# KiCad board element_foxtrot.kicad_pcb (continued)
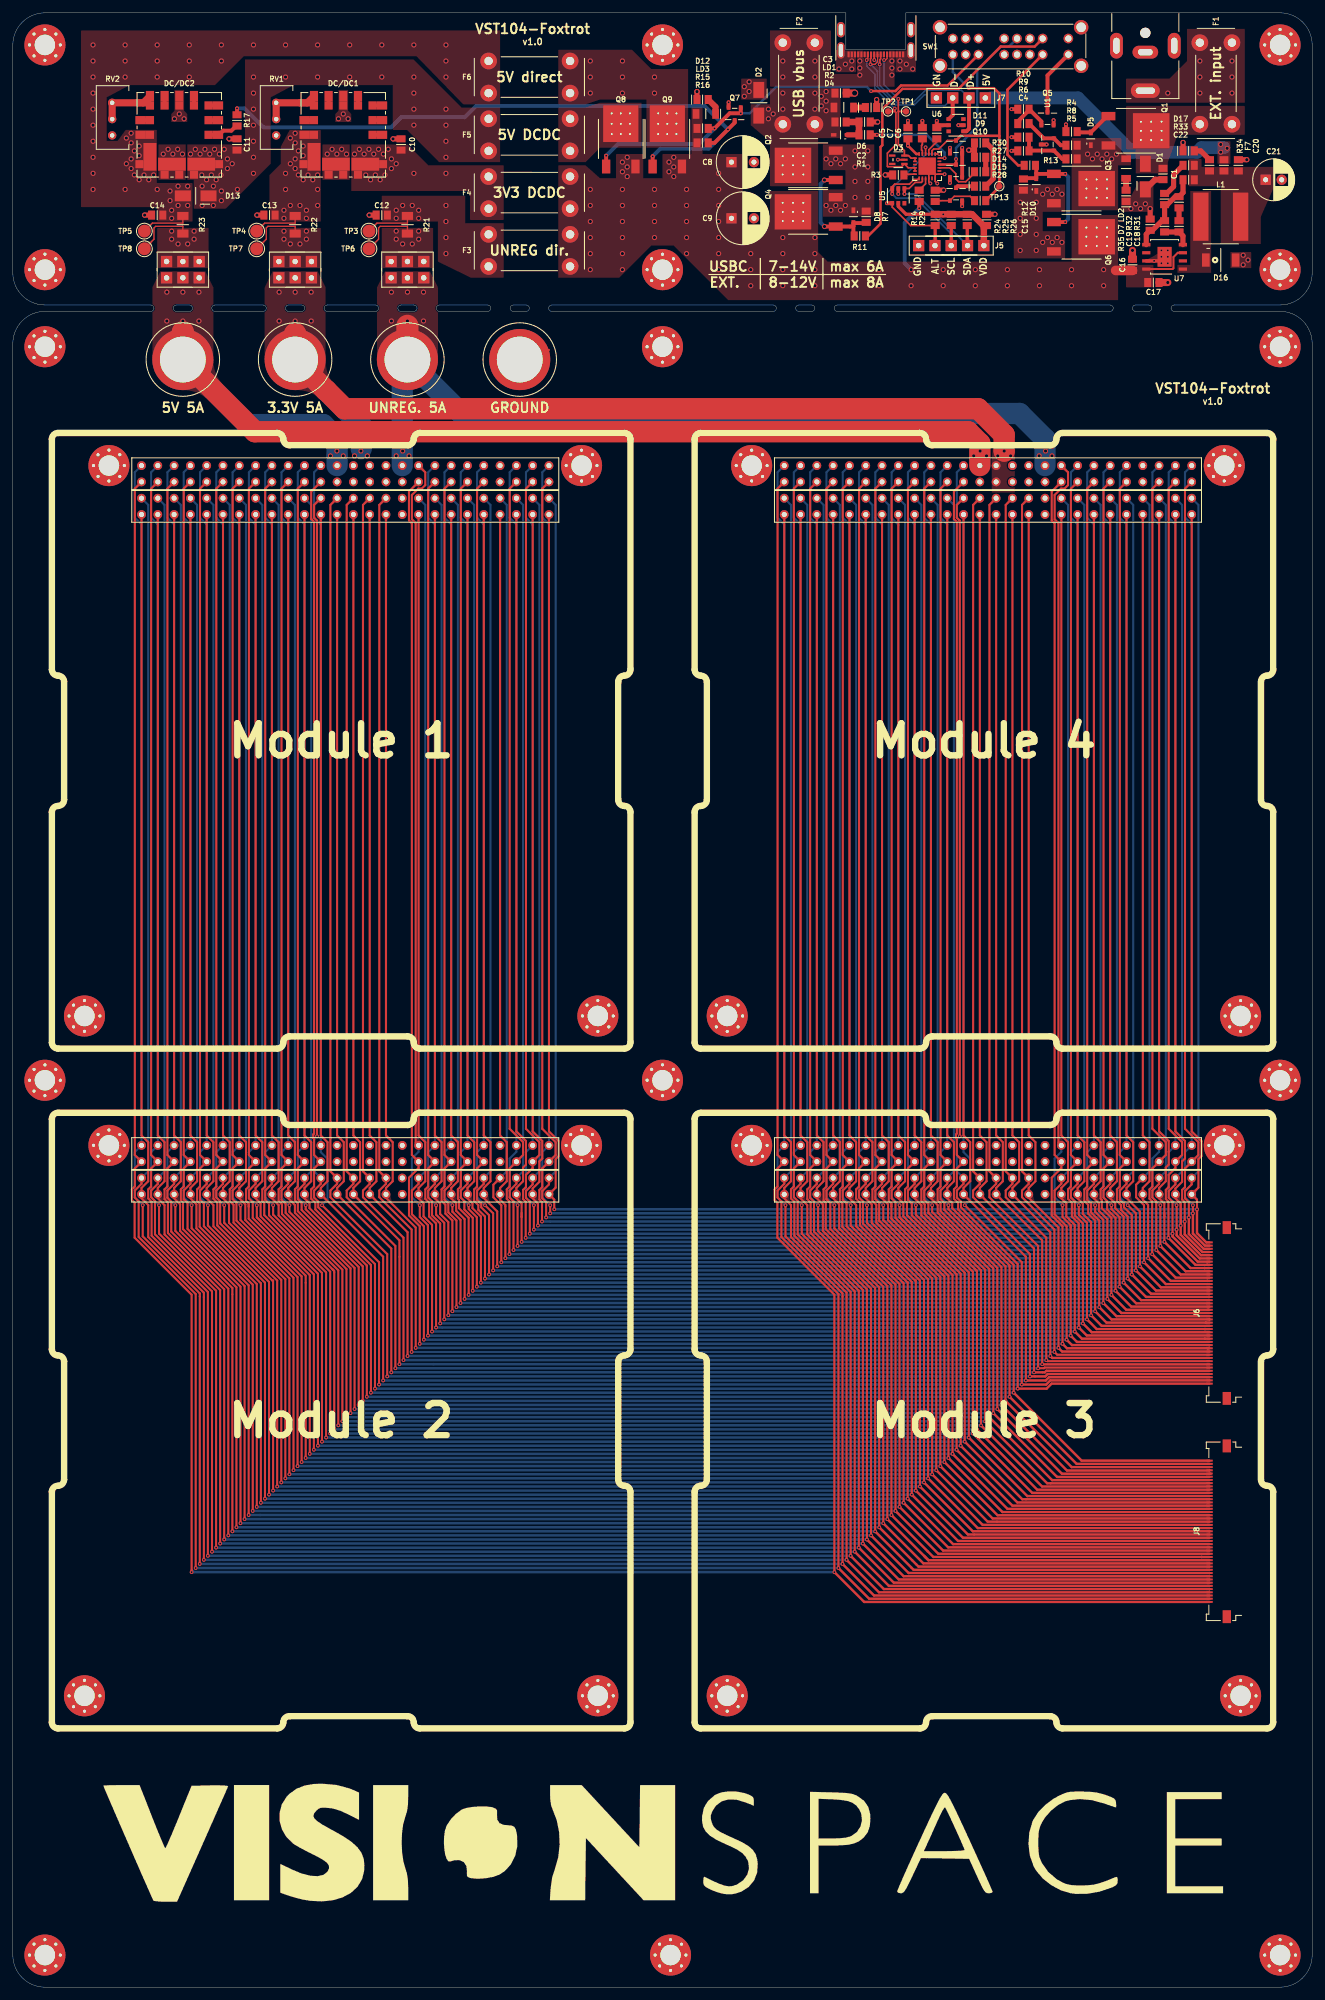
[diagram p0: board, top side]
## Copper pours and planes (outline as drawn; the poured copper is in the pictures) (continued)
/H2-6 on Bottom: 124.53,235.98 124.6,236.04 124.66,236.1 124.74,236.15 124.81,236.19 124.88,236.22 124.96,236.25 125.04,236.28 125.13,236.29 125.21,236.3 125.3,236.3 125.55,237.23 124.62,236.98 124.62,236.89 124.61,236.81 124.6,236.72 124.57,236.64 124.54,236.56 124.51,236.49 124.47,236.42 124.42,236.34 124.36,236.28 124.3,236.21
/H2-6 on Bottom: 125.14,132.36 125.14,132.27 125.13,132.18 125.12,132.1 125.09,132.02 125.06,131.94 125.03,131.86 124.99,131.79 124.94,131.72 124.89,131.66 124.83,131.59 125.31,130.76 125.78,131.59 125.72,131.66 125.67,131.72 125.62,131.79 125.58,131.86 125.55,131.94 125.52,132.02 125.49,132.1 125.48,132.18 125.47,132.27 125.47,132.36
/H2-6 on Bottom: 124.53,130.1 124.6,130.16 124.66,130.22 124.74,130.27 124.81,130.31 124.88,130.34 124.96,130.37 125.04,130.4 125.13,130.41 125.21,130.42 125.3,130.42 125.55,131.35 124.62,131.1 124.62,131.01 124.61,130.93 124.6,130.84 124.57,130.76 124.54,130.68 124.51,130.61 124.47,130.54 124.42,130.46 124.36,130.4 124.3,130.33
/H2-7 on Top: 26.9,127.56 26.97,127.62 27.03,127.68 27.11,127.73 27.18,127.77 27.25,127.8 27.33,127.83 27.41,127.86 27.5,127.87 27.58,127.88 27.67,127.88 27.92,128.81 26.99,128.56 26.99,128.47 26.98,128.39 26.97,128.3 26.94,128.22 26.91,128.14 26.88,128.07 26.84,128 26.79,127.92 26.73,127.86 26.67,127.79
/H2-7 on Top: 26.9,233.44 26.97,233.5 27.03,233.56 27.11,233.61 27.18,233.65 27.25,233.68 27.33,233.71 27.41,233.74 27.5,233.75 27.58,233.76 27.67,233.76 27.92,234.69 26.99,234.44 26.99,234.35 26.98,234.27 26.97,234.18 26.94,234.1 26.91,234.02 26.88,233.95 26.84,233.88 26.79,233.8 26.73,233.74 26.67,233.67
/H2-7 on Top: 26.67,129.34 26.73,129.27 26.79,129.21 26.84,129.13 26.88,129.06 26.91,128.99 26.94,128.91 26.97,128.83 26.98,128.74 26.99,128.66 26.99,128.57 27.92,128.32 27.67,129.25 27.58,129.25 27.5,129.26 27.41,129.27 27.33,129.3 27.25,129.33 27.18,129.36 27.11,129.4 27.03,129.45 26.97,129.51 26.9,129.57
/H2-7 on Top: 127.07,127.56 127.14,127.62 127.2,127.68 127.28,127.73 127.35,127.77 127.42,127.8 127.5,127.83 127.58,127.86 127.67,127.87 127.75,127.88 127.84,127.88 128.09,128.81 127.16,128.56 127.16,128.47 127.15,128.39 127.14,128.3 127.11,128.22 127.08,128.14 127.05,128.07 127.01,128 126.96,127.92 126.9,127.86 126.84,127.79
/H2-7 on Top: 127.07,233.44 127.14,233.5 127.2,233.56 127.28,233.61 127.35,233.65 127.42,233.68 127.5,233.71 127.58,233.74 127.67,233.75 127.75,233.76 127.84,233.76 128.09,234.69 127.16,234.44 127.16,234.35 127.15,234.27 127.14,234.18 127.11,234.1 127.08,234.02 127.05,233.95 127.01,233.88 126.96,233.8 126.9,233.74 126.84,233.67
/H2-7 on Top: 126.84,129.34 126.9,129.27 126.96,129.21 127.01,129.13 127.05,129.06 127.08,128.99 127.11,128.91 127.14,128.83 127.15,128.74 127.16,128.66 127.16,128.57 128.09,128.32 127.84,129.25 127.75,129.25 127.67,129.26 127.58,129.27 127.5,129.3 127.42,129.33 127.35,129.36 127.28,129.4 127.2,129.45 127.14,129.51 127.07,129.57
/H2-8 on Bottom: 26.9,235.98 26.97,236.04 27.03,236.1 27.11,236.15 27.18,236.19 27.25,236.22 27.33,236.25 27.41,236.28 27.5,236.29 27.58,236.3 27.67,236.3 27.92,237.23 26.99,236.98 26.99,236.89 26.98,236.81 26.97,236.72 26.94,236.64 26.91,236.56 26.88,236.49 26.84,236.42 26.79,236.34 26.73,236.28 26.67,236.21
/H2-8 on Bottom: 27.51,132.36 27.51,132.27 27.5,132.18 27.49,132.1 27.46,132.02 27.43,131.94 27.4,131.86 27.36,131.79 27.31,131.72 27.26,131.66 27.2,131.59 27.67,130.76 28.15,131.59 28.09,131.66 28.04,131.72 27.99,131.79 27.95,131.86 27.92,131.94 27.89,132.02 27.86,132.1 27.85,132.18 27.84,132.27 27.84,132.36
/H2-8 on Bottom: 26.9,130.1 26.97,130.16 27.03,130.22 27.11,130.27 27.18,130.31 27.25,130.34 27.33,130.37 27.41,130.4 27.5,130.41 27.58,130.42 27.67,130.42 27.92,131.35 26.99,131.1 26.99,131.01 26.98,130.93 26.97,130.84 26.94,130.76 26.91,130.68 26.88,130.61 26.84,130.54 26.79,130.46 26.73,130.4 26.67,130.33
/H2-8 on Bottom: 127.07,235.98 127.14,236.04 127.2,236.1 127.28,236.15 127.35,236.19 127.42,236.22 127.5,236.25 127.58,236.28 127.67,236.29 127.75,236.3 127.84,236.3 128.09,237.23 127.16,236.98 127.16,236.89 127.15,236.81 127.14,236.72 127.11,236.64 127.08,236.56 127.05,236.49 127.01,236.42 126.96,236.34 126.9,236.28 126.84,236.21
/H2-8 on Bottom: 127.68,132.36 127.68,132.27 127.67,132.18 127.66,132.1 127.63,132.02 127.6,131.94 127.57,131.86 127.53,131.79 127.48,131.72 127.43,131.66 127.37,131.59 127.84,130.76 128.32,131.59 128.26,131.66 128.21,131.72 128.16,131.79 128.12,131.86 128.09,131.94 128.06,132.02 128.03,132.1 128.02,132.18 128.01,132.27 128.01,132.36
/H2-8 on Bottom: 127.07,130.1 127.14,130.16 127.2,130.22 127.28,130.27 127.35,130.31 127.42,130.34 127.5,130.37 127.58,130.4 127.67,130.41 127.75,130.42 127.84,130.42 128.09,131.35 127.16,131.1 127.16,131.01 127.15,130.93 127.14,130.84 127.11,130.76 127.08,130.68 127.05,130.61 127.01,130.54 126.96,130.46 126.9,130.4 126.84,130.33
/H2-9 on Top: 29.44,127.56 29.51,127.62 29.57,127.68 29.65,127.73 29.72,127.77 29.79,127.8 29.87,127.83 29.95,127.86 30.04,127.87 30.12,127.88 30.21,127.88 30.46,128.81 29.53,128.56 29.53,128.47 29.52,128.39 29.51,128.3 29.48,128.22 29.45,128.14 29.42,128.07 29.38,128 29.33,127.92 29.27,127.86 29.21,127.79
/H2-9 on Top: 29.21,129.34 29.27,129.27 29.33,129.21 29.38,129.13 29.42,129.06 29.45,128.99 29.48,128.91 29.51,128.83 29.52,128.74 29.53,128.66 29.53,128.57 30.46,128.32 30.21,129.25 30.12,129.25 30.04,129.26 29.95,129.27 29.87,129.3 29.79,129.33 29.72,129.36 29.65,129.4 29.57,129.45 29.51,129.51 29.44,129.57
/H2-9 on Top: 29.44,233.44 29.51,233.5 29.57,233.56 29.65,233.61 29.72,233.65 29.79,233.68 29.87,233.71 29.95,233.74 30.04,233.75 30.12,233.76 30.21,233.76 30.46,234.69 29.53,234.44 29.53,234.35 29.52,234.27 29.51,234.18 29.48,234.1 29.45,234.02 29.42,233.95 29.38,233.88 29.33,233.8 29.27,233.74 29.21,233.67
/H2-9 on Top: 129.61,127.56 129.68,127.62 129.74,127.68 129.82,127.73 129.89,127.77 129.96,127.8 130.04,127.83 130.12,127.86 130.21,127.87 130.29,127.88 130.38,127.88 130.63,128.81 129.7,128.56 129.7,128.47 129.69,128.39 129.68,128.3 129.65,128.22 129.62,128.14 129.59,128.07 129.55,128 129.5,127.92 129.44,127.86 129.38,127.79
/H2-9 on Top: 129.38,129.34 129.44,129.27 129.5,129.21 129.55,129.13 129.59,129.06 129.62,128.99 129.65,128.91 129.68,128.83 129.69,128.74 129.7,128.66 129.7,128.57 130.63,128.32 130.38,129.25 130.29,129.25 130.21,129.26 130.12,129.27 130.04,129.3 129.96,129.33 129.89,129.36 129.82,129.4 129.74,129.45 129.68,129.51 129.61,129.57
/H2-9 on Top: 129.61,233.44 129.68,233.5 129.74,233.56 129.82,233.61 129.89,233.65 129.96,233.68 130.04,233.71 130.12,233.74 130.21,233.75 130.29,233.76 130.38,233.76 130.63,234.69 129.7,234.44 129.7,234.35 129.69,234.27 129.68,234.18 129.65,234.1 129.62,234.02 129.59,233.95 129.55,233.88 129.5,233.8 129.44,233.74 129.38,233.67
/H2-10 on Bottom: 29.44,235.98 29.51,236.04 29.57,236.1 29.65,236.15 29.72,236.19 29.79,236.22 29.87,236.25 29.95,236.28 30.04,236.29 30.12,236.3 30.21,236.3 30.46,237.23 29.53,236.98 29.53,236.89 29.52,236.81 29.51,236.72 29.48,236.64 29.45,236.56 29.42,236.49 29.38,236.42 29.33,236.34 29.27,236.28 29.21,236.21
/H2-10 on Bottom: 30.05,132.36 30.05,132.27 30.04,132.18 30.03,132.1 30,132.02 29.97,131.94 29.94,131.86 29.9,131.79 29.85,131.72 29.8,131.66 29.74,131.59 30.22,130.76 30.69,131.59 30.63,131.66 30.58,131.72 30.53,131.79 30.49,131.86 30.46,131.94 30.43,132.02 30.4,132.1 30.39,132.18 30.38,132.27 30.38,132.36
/H2-10 on Bottom: 29.44,130.1 29.51,130.16 29.57,130.22 29.65,130.27 29.72,130.31 29.79,130.34 29.87,130.37 29.95,130.4 30.04,130.41 30.12,130.42 30.21,130.42 30.46,131.35 29.53,131.1 29.53,131.01 29.52,130.93 29.51,130.84 29.48,130.76 29.45,130.68 29.42,130.61 29.38,130.54 29.33,130.46 29.27,130.4 29.21,130.33
/H2-10 on Bottom: 129.61,235.98 129.68,236.04 129.74,236.1 129.82,236.15 129.89,236.19 129.96,236.22 130.04,236.25 130.12,236.28 130.21,236.29 130.29,236.3 130.38,236.3 130.63,237.23 129.7,236.98 129.7,236.89 129.69,236.81 129.68,236.72 129.65,236.64 129.62,236.56 129.59,236.49 129.55,236.42 129.5,236.34 129.44,236.28 129.38,236.21
/H2-10 on Bottom: 130.22,132.36 130.22,132.27 130.21,132.18 130.2,132.1 130.17,132.02 130.14,131.94 130.11,131.86 130.07,131.79 130.02,131.72 129.97,131.66 129.91,131.59 130.38,130.76 130.86,131.59 130.8,131.66 130.75,131.72 130.7,131.79 130.66,131.86 130.63,131.94 130.6,132.02 130.57,132.1 130.56,132.18 130.55,132.27 130.55,132.36
/H2-10 on Bottom: 129.61,130.1 129.68,130.16 129.74,130.22 129.82,130.27 129.89,130.31 129.96,130.34 130.04,130.37 130.12,130.4 130.21,130.41 130.29,130.42 130.38,130.42 130.63,131.35 129.7,131.1 129.7,131.01 129.69,130.93 129.68,130.84 129.65,130.76 129.62,130.68 129.59,130.61 129.55,130.54 129.5,130.46 129.44,130.4 129.38,130.33
/H2-11 on Top: 31.98,127.56 32.05,127.62 32.11,127.68 32.19,127.73 32.26,127.77 32.33,127.8 32.41,127.83 32.49,127.86 32.58,127.87 32.66,127.88 32.75,127.88 33,128.81 32.07,128.56 32.07,128.47 32.06,128.39 32.05,128.3 32.02,128.22 31.99,128.14 31.96,128.07 31.92,128 31.87,127.92 31.81,127.86 31.75,127.79
/H2-11 on Top: 31.98,233.44 32.05,233.5 32.11,233.56 32.19,233.61 32.26,233.65 32.33,233.68 32.41,233.71 32.49,233.74 32.58,233.75 32.66,233.76 32.75,233.76 33,234.69 32.07,234.44 32.07,234.35 32.06,234.27 32.05,234.18 32.02,234.1 31.99,234.02 31.96,233.95 31.92,233.88 31.87,233.8 31.81,233.74 31.75,233.67
/H2-11 on Top: 31.75,129.34 31.81,129.27 31.87,129.21 31.92,129.13 31.96,129.06 31.99,128.99 32.02,128.91 32.05,128.83 32.06,128.74 32.07,128.66 32.07,128.57 33,128.32 32.75,129.25 32.66,129.25 32.58,129.26 32.49,129.27 32.41,129.3 32.33,129.33 32.26,129.36 32.19,129.4 32.11,129.45 32.05,129.51 31.98,129.57
/H2-11 on Top: 131.92,129.34 131.98,129.27 132.04,129.21 132.09,129.13 132.13,129.06 132.16,128.99 132.19,128.91 132.22,128.83 132.23,128.74 132.24,128.66 132.24,128.57 133.17,128.32 132.92,129.25 132.83,129.25 132.75,129.26 132.66,129.27 132.58,129.3 132.5,129.33 132.43,129.36 132.36,129.4 132.28,129.45 132.22,129.51 132.15,129.57
/H2-11 on Top: 132.15,233.44 132.22,233.5 132.28,233.56 132.36,233.61 132.43,233.65 132.5,233.68 132.58,233.71 132.66,233.74 132.75,233.75 132.83,233.76 132.92,233.76 133.17,234.69 132.24,234.44 132.24,234.35 132.23,234.27 132.22,234.18 132.19,234.1 132.16,234.02 132.13,233.95 132.09,233.88 132.04,233.8 131.98,233.74 131.92,233.67
/H2-11 on Top: 132.15,127.56 132.22,127.62 132.28,127.68 132.36,127.73 132.43,127.77 132.5,127.8 132.58,127.83 132.66,127.86 132.75,127.87 132.83,127.88 132.92,127.88 133.17,128.81 132.24,128.56 132.24,128.47 132.23,128.39 132.22,128.3 132.19,128.22 132.16,128.14 132.13,128.07 132.09,128 132.04,127.92 131.98,127.86 131.92,127.79
/H2-12 on Bottom: 31.98,235.98 32.05,236.04 32.11,236.1 32.19,236.15 32.26,236.19 32.33,236.22 32.41,236.25 32.49,236.28 32.58,236.29 32.66,236.3 32.75,236.3 33,237.23 32.07,236.98 32.07,236.89 32.06,236.81 32.05,236.72 32.02,236.64 31.99,236.56 31.96,236.49 31.92,236.42 31.87,236.34 31.81,236.28 31.75,236.21
/H2-12 on Bottom: 32.59,132.36 32.59,132.27 32.58,132.18 32.57,132.1 32.54,132.02 32.51,131.94 32.48,131.86 32.44,131.79 32.39,131.72 32.34,131.66 32.28,131.59 32.76,130.76 33.23,131.59 33.17,131.66 33.12,131.72 33.07,131.79 33.03,131.86 33,131.94 32.97,132.02 32.94,132.1 32.93,132.18 32.92,132.27 32.92,132.36
/H2-12 on Bottom: 31.98,130.1 32.05,130.16 32.11,130.22 32.19,130.27 32.26,130.31 32.33,130.34 32.41,130.37 32.49,130.4 32.58,130.41 32.66,130.42 32.75,130.42 33,131.35 32.07,131.1 32.07,131.01 32.06,130.93 32.05,130.84 32.02,130.76 31.99,130.68 31.96,130.61 31.92,130.54 31.87,130.46 31.81,130.4 31.75,130.33
/H2-12 on Bottom: 132.76,132.36 132.76,132.27 132.75,132.18 132.74,132.1 132.71,132.02 132.68,131.94 132.65,131.86 132.61,131.79 132.56,131.72 132.51,131.66 132.45,131.59 132.93,130.76 133.4,131.59 133.34,131.66 133.29,131.72 133.24,131.79 133.2,131.86 133.17,131.94 133.14,132.02 133.11,132.1 133.1,132.18 133.09,132.27 133.09,132.36
/H2-12 on Bottom: 132.15,235.98 132.22,236.04 132.28,236.1 132.36,236.15 132.43,236.19 132.5,236.22 132.58,236.25 132.66,236.28 132.75,236.29 132.83,236.3 132.92,236.3 133.17,237.23 132.24,236.98 132.24,236.89 132.23,236.81 132.22,236.72 132.19,236.64 132.16,236.56 132.13,236.49 132.09,236.42 132.04,236.34 131.98,236.28 131.92,236.21
/H2-12 on Bottom: 132.15,130.1 132.22,130.16 132.28,130.22 132.36,130.27 132.43,130.31 132.5,130.34 132.58,130.37 132.66,130.4 132.75,130.41 132.83,130.42 132.92,130.42 133.17,131.35 132.24,131.1 132.24,131.01 132.23,130.93 132.22,130.84 132.19,130.76 132.16,130.68 132.13,130.61 132.09,130.54 132.04,130.46 131.98,130.4 131.92,130.33
/H2-13 on Top: 34.52,127.56 34.59,127.62 34.65,127.68 34.73,127.73 34.8,127.77 34.87,127.8 34.95,127.83 35.03,127.86 35.12,127.87 35.2,127.88 35.29,127.88 35.54,128.81 34.61,128.56 34.61,128.47 34.6,128.39 34.59,128.3 34.56,128.22 34.53,128.14 34.5,128.07 34.46,128 34.41,127.92 34.35,127.86 34.29,127.79
/H2-13 on Top: 34.29,129.34 34.35,129.27 34.41,129.21 34.46,129.13 34.5,129.06 34.53,128.99 34.56,128.91 34.59,128.83 34.6,128.74 34.61,128.66 34.61,128.57 35.54,128.32 35.29,129.25 35.2,129.25 35.12,129.26 35.03,129.27 34.95,129.3 34.87,129.33 34.8,129.36 34.73,129.4 34.65,129.45 34.59,129.51 34.52,129.57
/H2-13 on Top: 34.52,233.44 34.59,233.5 34.65,233.56 34.73,233.61 34.8,233.65 34.87,233.68 34.95,233.71 35.03,233.74 35.12,233.75 35.2,233.76 35.29,233.76 35.54,234.69 34.61,234.44 34.61,234.35 34.6,234.27 34.59,234.18 34.56,234.1 34.53,234.02 34.5,233.95 34.46,233.88 34.41,233.8 34.35,233.74 34.29,233.67
/H2-13 on Top: 134.46,129.34 134.52,129.27 134.58,129.21 134.63,129.13 134.67,129.06 134.7,128.99 134.73,128.91 134.76,128.83 134.77,128.74 134.78,128.66 134.78,128.57 135.71,128.32 135.46,129.25 135.37,129.25 135.29,129.26 135.2,129.27 135.12,129.3 135.04,129.33 134.97,129.36 134.9,129.4 134.82,129.45 134.76,129.51 134.69,129.57
/H2-13 on Top: 134.69,233.44 134.76,233.5 134.82,233.56 134.9,233.61 134.97,233.65 135.04,233.68 135.12,233.71 135.2,233.74 135.29,233.75 135.37,233.76 135.46,233.76 135.71,234.69 134.78,234.44 134.78,234.35 134.77,234.27 134.76,234.18 134.73,234.1 134.7,234.02 134.67,233.95 134.63,233.88 134.58,233.8 134.52,233.74 134.46,233.67
/H2-13 on Top: 134.69,127.56 134.76,127.62 134.82,127.68 134.9,127.73 134.97,127.77 135.04,127.8 135.12,127.83 135.2,127.86 135.29,127.87 135.37,127.88 135.46,127.88 135.71,128.81 134.78,128.56 134.78,128.47 134.77,128.39 134.76,128.3 134.73,128.22 134.7,128.14 134.67,128.07 134.63,128 134.58,127.92 134.52,127.86 134.46,127.79
/H2-14 on Bottom: 34.52,235.98 34.59,236.04 34.65,236.1 34.73,236.15 34.8,236.19 34.87,236.22 34.95,236.25 35.03,236.28 35.12,236.29 35.2,236.3 35.29,236.3 35.54,237.23 34.61,236.98 34.61,236.89 34.6,236.81 34.59,236.72 34.56,236.64 34.53,236.56 34.5,236.49 34.46,236.42 34.41,236.34 34.35,236.28 34.29,236.21
/H2-14 on Bottom: 35.13,132.36 35.13,132.27 35.12,132.18 35.11,132.1 35.08,132.02 35.05,131.94 35.02,131.86 34.98,131.79 34.93,131.72 34.88,131.66 34.82,131.59 35.3,130.76 35.77,131.59 35.71,131.66 35.66,131.72 35.61,131.79 35.57,131.86 35.54,131.94 35.51,132.02 35.48,132.1 35.47,132.18 35.46,132.27 35.46,132.36
/H2-14 on Bottom: 34.52,130.1 34.59,130.16 34.65,130.22 34.73,130.27 34.8,130.31 34.87,130.34 34.95,130.37 35.03,130.4 35.12,130.41 35.2,130.42 35.29,130.42 35.54,131.35 34.61,131.1 34.61,131.01 34.6,130.93 34.59,130.84 34.56,130.76 34.53,130.68 34.5,130.61 34.46,130.54 34.41,130.46 34.35,130.4 34.29,130.33
/H2-14 on Bottom: 135.3,132.36 135.3,132.27 135.29,132.18 135.28,132.1 135.25,132.02 135.22,131.94 135.19,131.86 135.15,131.79 135.1,131.72 135.05,131.66 134.99,131.59 135.47,130.76 135.94,131.59 135.88,131.66 135.83,131.72 135.78,131.79 135.74,131.86 135.71,131.94 135.68,132.02 135.65,132.1 135.64,132.18 135.63,132.27 135.63,132.36
/H2-14 on Bottom: 134.69,235.98 134.76,236.04 134.82,236.1 134.9,236.15 134.97,236.19 135.04,236.22 135.12,236.25 135.2,236.28 135.29,236.29 135.37,236.3 135.46,236.3 135.71,237.23 134.78,236.98 134.78,236.89 134.77,236.81 134.76,236.72 134.73,236.64 134.7,236.56 134.67,236.49 134.63,236.42 134.58,236.34 134.52,236.28 134.46,236.21
/H2-14 on Bottom: 134.69,130.1 134.76,130.16 134.82,130.22 134.9,130.27 134.97,130.31 135.04,130.34 135.12,130.37 135.2,130.4 135.29,130.41 135.37,130.42 135.46,130.42 135.71,131.35 134.78,131.1 134.78,131.01 134.77,130.93 134.76,130.84 134.73,130.76 134.7,130.68 134.67,130.61 134.63,130.54 134.58,130.46 134.52,130.4 134.46,130.33
/H2-15 on Top: 37.06,127.56 37.13,127.62 37.19,127.68 37.27,127.73 37.34,127.77 37.41,127.8 37.49,127.83 37.57,127.86 37.66,127.87 37.74,127.88 37.83,127.88 38.08,128.81 37.15,128.56 37.15,128.47 37.14,128.39 37.13,128.3 37.1,128.22 37.07,128.14 37.04,128.07 37,128 36.95,127.92 36.89,127.86 36.83,127.79
/H2-15 on Top: 37.06,233.44 37.13,233.5 37.19,233.56 37.27,233.61 37.34,233.65 37.41,233.68 37.49,233.71 37.57,233.74 37.66,233.75 37.74,233.76 37.83,233.76 38.08,234.69 37.15,234.44 37.15,234.35 37.14,234.27 37.13,234.18 37.1,234.1 37.07,234.02 37.04,233.95 37,233.88 36.95,233.8 36.89,233.74 36.83,233.67
/H2-15 on Top: 36.83,129.34 36.89,129.27 36.95,129.21 37,129.13 37.04,129.06 37.07,128.99 37.1,128.91 37.13,128.83 37.14,128.74 37.15,128.66 37.15,128.57 38.08,128.32 37.83,129.25 37.74,129.25 37.66,129.26 37.57,129.27 37.49,129.3 37.41,129.33 37.34,129.36 37.27,129.4 37.19,129.45 37.13,129.51 37.06,129.57
/H2-15 on Top: 137,129.34 137.06,129.27 137.12,129.21 137.17,129.13 137.21,129.06 137.24,128.99 137.27,128.91 137.3,128.83 137.31,128.74 137.32,128.66 137.32,128.57 138.25,128.32 138,129.25 137.91,129.25 137.83,129.26 137.74,129.27 137.66,129.3 137.58,129.33 137.51,129.36 137.44,129.4 137.36,129.45 137.3,129.51 137.23,129.57
/H2-15 on Top: 137.23,233.44 137.3,233.5 137.36,233.56 137.44,233.61 137.51,233.65 137.58,233.68 137.66,233.71 137.74,233.74 137.83,233.75 137.91,233.76 138,233.76 138.25,234.69 137.32,234.44 137.32,234.35 137.31,234.27 137.3,234.18 137.27,234.1 137.24,234.02 137.21,233.95 137.17,233.88 137.12,233.8 137.06,233.74 137,233.67
/H2-15 on Top: 137.23,127.56 137.3,127.62 137.36,127.68 137.44,127.73 137.51,127.77 137.58,127.8 137.66,127.83 137.74,127.86 137.83,127.87 137.91,127.88 138,127.88 138.25,128.81 137.32,128.56 137.32,128.47 137.31,128.39 137.3,128.3 137.27,128.22 137.24,128.14 137.21,128.07 137.17,128 137.12,127.92 137.06,127.86 137,127.79
/H2-16 on Bottom: 37.67,132.36 37.67,132.27 37.66,132.18 37.65,132.1 37.62,132.02 37.59,131.94 37.56,131.86 37.52,131.79 37.47,131.72 37.42,131.66 37.36,131.59 37.84,130.76 38.31,131.59 38.25,131.66 38.2,131.72 38.15,131.79 38.11,131.86 38.08,131.94 38.05,132.02 38.02,132.1 38.01,132.18 38,132.27 38,132.36
/H2-16 on Bottom: 37.06,235.98 37.13,236.04 37.19,236.1 37.27,236.15 37.34,236.19 37.41,236.22 37.49,236.25 37.57,236.28 37.66,236.29 37.74,236.3 37.83,236.3 38.08,237.23 37.15,236.98 37.15,236.89 37.14,236.81 37.13,236.72 37.1,236.64 37.07,236.56 37.04,236.49 37,236.42 36.95,236.34 36.89,236.28 36.83,236.21
/H2-16 on Bottom: 37.06,130.1 37.13,130.16 37.19,130.22 37.27,130.27 37.34,130.31 37.41,130.34 37.49,130.37 37.57,130.4 37.66,130.41 37.74,130.42 37.83,130.42 38.08,131.35 37.15,131.1 37.15,131.01 37.14,130.93 37.13,130.84 37.1,130.76 37.07,130.68 37.04,130.61 37,130.54 36.95,130.46 36.89,130.4 36.83,130.33
/H2-16 on Bottom: 137.23,235.98 137.3,236.04 137.36,236.1 137.44,236.15 137.51,236.19 137.58,236.22 137.66,236.25 137.74,236.28 137.83,236.29 137.91,236.3 138,236.3 138.25,237.23 137.32,236.98 137.32,236.89 137.31,236.81 137.3,236.72 137.27,236.64 137.24,236.56 137.21,236.49 137.17,236.42 137.12,236.34 137.06,236.28 137,236.21
/H2-16 on Bottom: 137.84,132.36 137.84,132.27 137.83,132.18 137.82,132.1 137.79,132.02 137.76,131.94 137.73,131.86 137.69,131.79 137.64,131.72 137.59,131.66 137.53,131.59 138,130.76 138.48,131.59 138.42,131.66 138.37,131.72 138.32,131.79 138.28,131.86 138.25,131.94 138.22,132.02 138.19,132.1 138.18,132.18 138.17,132.27 138.17,132.36
/H2-16 on Bottom: 137.23,130.1 137.3,130.16 137.36,130.22 137.44,130.27 137.51,130.31 137.58,130.34 137.66,130.37 137.74,130.4 137.83,130.41 137.91,130.42 138,130.42 138.25,131.35 137.32,131.1 137.32,131.01 137.31,130.93 137.3,130.84 137.27,130.76 137.24,130.68 137.21,130.61 137.17,130.54 137.12,130.46 137.06,130.4 137,130.33
/H2-17 on Top: 39.6,127.56 39.67,127.62 39.73,127.68 39.81,127.73 39.88,127.77 39.95,127.8 40.03,127.83 40.11,127.86 40.2,127.87 40.28,127.88 40.37,127.88 40.62,128.81 39.69,128.56 39.69,128.47 39.68,128.39 39.67,128.3 39.64,128.22 39.61,128.14 39.58,128.07 39.54,128 39.49,127.92 39.43,127.86 39.37,127.79
/H2-17 on Top: 39.37,129.34 39.43,129.27 39.49,129.21 39.54,129.13 39.58,129.06 39.61,128.99 39.64,128.91 39.67,128.83 39.68,128.74 39.69,128.66 39.69,128.57 40.62,128.32 40.37,129.25 40.28,129.25 40.2,129.26 40.11,129.27 40.03,129.3 39.95,129.33 39.88,129.36 39.81,129.4 39.73,129.45 39.67,129.51 39.6,129.57
/H2-17 on Top: 39.6,233.44 39.67,233.5 39.73,233.56 39.81,233.61 39.88,233.65 39.95,233.68 40.03,233.71 40.11,233.74 40.2,233.75 40.28,233.76 40.37,233.76 40.62,234.69 39.69,234.44 39.69,234.35 39.68,234.27 39.67,234.18 39.64,234.1 39.61,234.02 39.58,233.95 39.54,233.88 39.49,233.8 39.43,233.74 39.37,233.67
/H2-17 on Top: 139.77,233.44 139.84,233.5 139.9,233.56 139.98,233.61 140.05,233.65 140.12,233.68 140.2,233.71 140.28,233.74 140.37,233.75 140.45,233.76 140.54,233.76 140.79,234.69 139.86,234.44 139.86,234.35 139.85,234.27 139.84,234.18 139.81,234.1 139.78,234.02 139.75,233.95 139.71,233.88 139.66,233.8 139.6,233.74 139.54,233.67
/H2-17 on Top: 139.54,129.34 139.6,129.27 139.66,129.21 139.71,129.13 139.75,129.06 139.78,128.99 139.81,128.91 139.84,128.83 139.85,128.74 139.86,128.66 139.86,128.57 140.79,128.32 140.54,129.25 140.45,129.25 140.37,129.26 140.28,129.27 140.2,129.3 140.12,129.33 140.05,129.36 139.98,129.4 139.9,129.45 139.84,129.51 139.77,129.57
/H2-17 on Top: 139.77,127.56 139.84,127.62 139.9,127.68 139.98,127.73 140.05,127.77 140.12,127.8 140.2,127.83 140.28,127.86 140.37,127.87 140.45,127.88 140.54,127.88 140.79,128.81 139.86,128.56 139.86,128.47 139.85,128.39 139.84,128.3 139.81,128.22 139.78,128.14 139.75,128.07 139.71,128 139.66,127.92 139.6,127.86 139.54,127.79
/H2-18 on Bottom: 39.6,235.98 39.67,236.04 39.73,236.1 39.81,236.15 39.88,236.19 39.95,236.22 40.03,236.25 40.11,236.28 40.2,236.29 40.28,236.3 40.37,236.3 40.62,237.23 39.69,236.98 39.69,236.89 39.68,236.81 39.67,236.72 39.64,236.64 39.61,236.56 39.58,236.49 39.54,236.42 39.49,236.34 39.43,236.28 39.37,236.21
/H2-18 on Bottom: 40.21,132.36 40.21,132.27 40.2,132.18 40.19,132.1 40.16,132.02 40.13,131.94 40.1,131.86 40.06,131.79 40.01,131.72 39.96,131.66 39.9,131.59 40.38,130.76 40.85,131.59 40.79,131.66 40.74,131.72 40.69,131.79 40.65,131.86 40.62,131.94 40.59,132.02 40.56,132.1 40.55,132.18 40.54,132.27 40.54,132.36
/H2-18 on Bottom: 39.6,130.1 39.67,130.16 39.73,130.22 39.81,130.27 39.88,130.31 39.95,130.34 40.03,130.37 40.11,130.4 40.2,130.41 40.28,130.42 40.37,130.42 40.62,131.35 39.69,131.1 39.69,131.01 39.68,130.93 39.67,130.84 39.64,130.76 39.61,130.68 39.58,130.61 39.54,130.54 39.49,130.46 39.43,130.4 39.37,130.33
/H2-18 on Bottom: 139.77,235.98 139.84,236.04 139.9,236.1 139.98,236.15 140.05,236.19 140.12,236.22 140.2,236.25 140.28,236.28 140.37,236.29 140.45,236.3 140.54,236.3 140.79,237.23 139.86,236.98 139.86,236.89 139.85,236.81 139.84,236.72 139.81,236.64 139.78,236.56 139.75,236.49 139.71,236.42 139.66,236.34 139.6,236.28 139.54,236.21
/H2-18 on Bottom: 140.38,132.36 140.38,132.27 140.37,132.18 140.36,132.1 140.33,132.02 140.3,131.94 140.27,131.86 140.23,131.79 140.18,131.72 140.13,131.66 140.07,131.59 140.54,130.76 141.02,131.59 140.96,131.66 140.91,131.72 140.86,131.79 140.82,131.86 140.79,131.94 140.76,132.02 140.73,132.1 140.72,132.18 140.71,132.27 140.71,132.36
/H2-18 on Bottom: 139.77,130.1 139.84,130.16 139.9,130.22 139.98,130.27 140.05,130.31 140.12,130.34 140.2,130.37 140.28,130.4 140.37,130.41 140.45,130.42 140.54,130.42 140.79,131.35 139.86,131.1 139.86,131.01 139.85,130.93 139.84,130.84 139.81,130.76 139.78,130.68 139.75,130.61 139.71,130.54 139.66,130.46 139.6,130.4 139.54,130.33
/H2-19 on Top: 42.14,127.56 42.21,127.62 42.27,127.68 42.35,127.73 42.42,127.77 42.49,127.8 42.57,127.83 42.65,127.86 42.74,127.87 42.82,127.88 42.91,127.88 43.16,128.81 42.23,128.56 42.23,128.47 42.22,128.39 42.21,128.3 42.18,128.22 42.15,128.14 42.12,128.07 42.08,128 42.03,127.92 41.97,127.86 41.91,127.79
/H2-19 on Top: 42.14,233.44 42.21,233.5 42.27,233.56 42.35,233.61 42.42,233.65 42.49,233.68 42.57,233.71 42.65,233.74 42.74,233.75 42.82,233.76 42.91,233.76 43.16,234.69 42.23,234.44 42.23,234.35 42.22,234.27 42.21,234.18 42.18,234.1 42.15,234.02 42.12,233.95 42.08,233.88 42.03,233.8 41.97,233.74 41.91,233.67
/H2-19 on Top: 41.91,129.34 41.97,129.27 42.03,129.21 42.08,129.13 42.12,129.06 42.15,128.99 42.18,128.91 42.21,128.83 42.22,128.74 42.23,128.66 42.23,128.57 43.16,128.32 42.91,129.25 42.82,129.25 42.74,129.26 42.65,129.27 42.57,129.3 42.49,129.33 42.42,129.36 42.35,129.4 42.27,129.45 42.21,129.51 42.14,129.57